# KiCad board tklc_v1_rgb.kicad_pcb (continued)
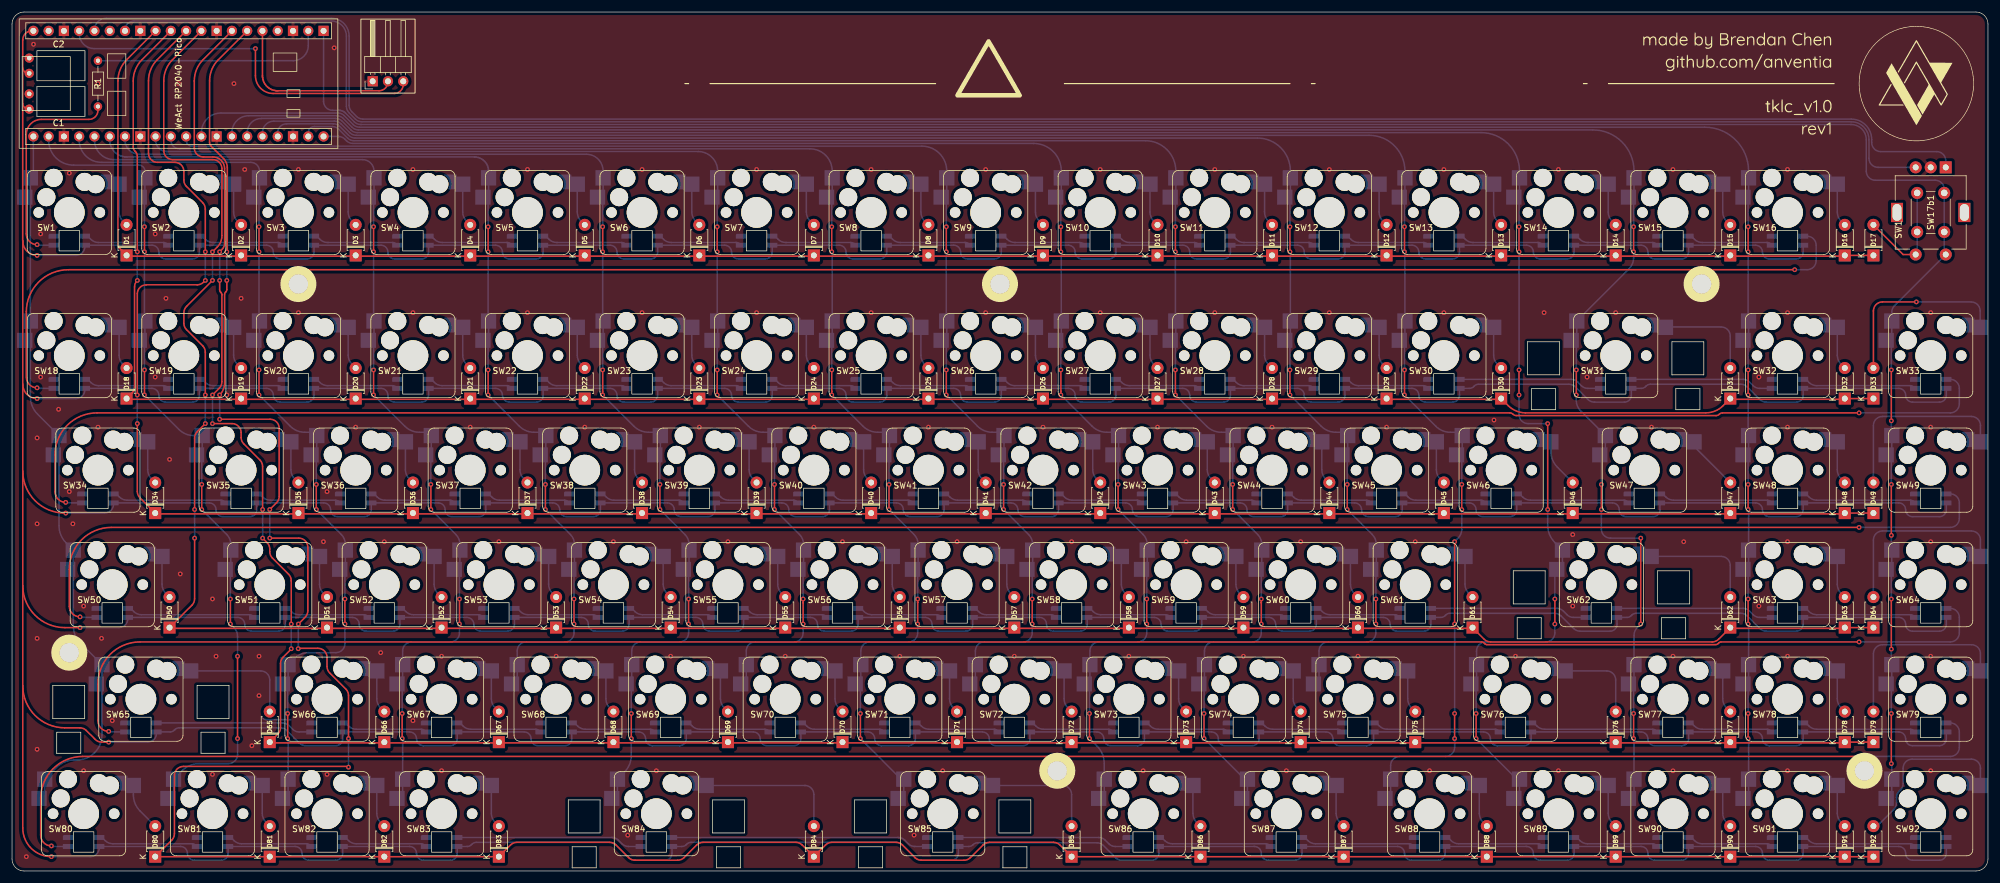
[diagram p0: board, top side]
## Routing (per net, layer and track width the routed paths; a pad name or vN(x,y) marks a point on that pad's centre or on a via; arc(x,y) is an arc through that point) (continued)
/row0: length 326.9
  Top w0.25: 19.18,102.26 37.97,102.26 ; 285.62,102.26 266.83,102.26 ; 304.67,102.26 285.88,102.26 ; D16.1 D17.1 ; 228.47,102.26 209.68,102.26 ; 95.38,102.26 114.17,102.26 ; WeAct RP2040-Pico.32 19.08,134.95 arc(17.99,133.33) 17.61,131.42 17.61,104.45 arc(17.73,103.88) 18.05,103.39 D1.1 ; 247.52,102.26 228.73,102.26 ; 266.57,102.26 247.78,102.26 ; 133.48,102.26 152.27,102.26 ; 171.32,102.26 152.53,102.26 ; 209.42,102.26 190.63,102.26 ; 76.07,102.26 57.28,102.26 ; 190.37,102.26 171.58,102.26 ; 95.12,102.26 76.33,102.26 ; 38.23,102.26 57.02,102.26 ; 114.43,102.26 133.22,102.26
/row1: length 353.1
  Top w0.25: 152.53,78.45 171.32,78.45 ; D18.1 19.94,79.47 arc(20.26,79.95) 20.37,80.53 20.37,97.14 arc(20.49,97.72) 20.81,98.2 v1(20.84,98.23) ; 190.63,78.45 209.42,78.45 ; 95.38,78.45 114.17,78.45 ; 209.68,78.45 228.47,78.45 ; v1(20.84,102.99) 20.84,118.92 arc(20.76,119.31) 20.54,119.63 20.45,119.73 arc(20.23,120.05) 20.15,120.43 20.15,131.42 arc(20.53,133.33) 21.62,134.95 WeAct RP2040-Pico.31 ; D32.1 D33.1 ; 171.58,78.45 190.37,78.45 ; 228.73,78.45 247.52,78.45 ; 285.88,78.45 304.67,78.45 ; D30.1 248.84,77.39 arc(250.16,76.51) 251.72,76.2 281.68,76.2 arc(283.24,76.51) 284.56,77.39 D31.1 ; 114.43,78.45 133.22,78.45 ; 57.28,78.45 76.07,78.45 ; 76.33,78.45 95.12,78.45 ; 19.18,78.45 37.97,78.45 ; 133.48,78.45 152.27,78.45 ; 38.23,78.45 57.02,78.45
  Bottom w0.25: v1(20.84,98.23) v1(20.84,102.99)
/row2: length 382
  Top w0.25: 104.9,59.4 123.7,59.4 ; 47.75,59.4 66.55,59.4 ; 180.85,59.4 162.05,59.4 ; 199.9,59.4 181.1,59.4 ; 23.94,59.4 47.5,59.4 ; v1(32.15,98.23) 31.86,97.94 arc(31.38,97.62) 30.8,97.5 22.34,97.5 arc(21.28,97.06) 20.84,96 v1(20.84,79.18) ; 161.8,59.4 143,59.4 ; 85.85,59.4 104.65,59.4 ; 259.69,59.4 285.62,59.4 ; 259.43,59.4 238.25,59.4 ; 285.88,59.4 304.67,59.4 ; v1(32.15,102.99) 32.15,110.11 arc(32.03,110.68) 31.71,111.17 29.01,113.86 arc(28.69,114.35) 28.58,114.92 28.58,116.37 arc(28.14,117.43) 27.08,117.87 24.19,117.87 arc(23.13,118.31) 22.69,119.37 22.69,131.42 arc(23.07,133.33) 24.16,134.95 WeAct RP2040-Pico.30 ; v1(20.84,74.41) 20.84,63.13 arc(20.95,62.56) 21.28,62.07 D34.1 ; 219.2,59.4 238,59.4 ; 85.6,59.4 66.8,59.4 ; D49.1 D48.1 ; 142.75,59.4 123.95,59.4 ; 200.15,59.4 218.95,59.4
  Bottom w0.25: v1(20.84,74.41) v1(20.84,79.18) ; v1(32.15,98.23) v1(32.15,102.99)
/row3: length 398.3
  Top w0.25: 26.32,40.35 52.26,40.35 ; 285.88,40.35 304.67,40.35 ; 185.87,40.35 204.66,40.35 ; D61.1 244.83,38.54 arc(245.32,38.21) 245.89,38.1 282.75,38.1 arc(283.32,38.21) 283.81,38.54 D62.1 ; v1(32.15,79.18) 32.15,86.29 arc(32.03,86.87) 31.71,87.35 29.01,90.05 arc(28.69,90.53) 28.58,91.11 28.58,92.84 arc(28.69,93.42) 29.01,93.9 v1(33.34,98.23) ; 52.52,40.35 71.31,40.35 ; 71.57,40.35 90.36,40.35 ; 128.72,40.35 147.51,40.35 ; 147.77,40.35 166.56,40.35 ; 90.62,40.35 109.41,40.35 ; WeAct RP2040-Pico.29 26.7,134.95 arc(25.61,133.33) 25.23,131.42 25.23,119.82 arc(25.67,118.76) 26.73,118.32 33.4,118.32 arc(34.47,117.88) 34.9,116.82 34.9,105.66 arc(34.7,104.64) 34.12,103.77 v1(33.34,102.99) ; v1(32.15,74.41) 30.8,73.07 arc(30.48,72.58) 30.36,72.01 v1(30.36,60.13) ; D50.1 29.92,44.21 arc(30.25,44.7) 30.36,45.27 v1(30.36,55.36) ; D63.1 D64.1 ; 204.92,40.35 223.71,40.35 ; 109.67,40.35 128.46,40.35 ; 223.97,40.35 242.76,40.35 ; 166.82,40.35 185.61,40.35
  Bottom w0.25: v1(33.34,102.99) v1(33.34,98.23) ; v1(30.36,60.13) v1(30.36,55.36) ; v1(32.15,74.41) v1(32.15,79.18)
/row4: length 397.2
  Top w0.25: v1(41.67,60.13) 41.67,67.3 arc(41.56,67.87) 41.23,68.36 38.54,71.05 arc(38.21,71.54) 38.1,72.11 38.1,72.91 arc(37.66,73.97) 36.6,74.41 v1(33.34,74.41) ; D78.1 D79.1 ; 157.29,21.3 176.08,21.3 ; 266.83,21.3 285.62,21.3 ; 42.99,21.3 61.78,21.3 ; 138.24,21.3 157.03,21.3 ; D65.1 44.21,22.78 arc(44.53,23.26) 44.65,23.84 44.65,34.5 arc(44.76,35.08) 45.09,35.56 46.43,36.91 ; WeAct RP2040-Pico.27 31.78,134.95 arc(30.69,133.33) 30.31,131.42 30.31,120.27 arc(30.75,119.21) 31.81,118.77 33.4,118.77 arc(34.78,118.2) 35.35,116.82 35.35,104.4 arc(35.25,103.86) 34.94,103.4 v1(34.53,102.99) ; v1(33.34,79.18) 34.47,80.3 arc(34.79,80.79) 34.9,81.36 34.9,95.86 arc(34.87,96.05) 34.76,96.21 34.67,96.29 arc(34.57,96.46) 34.53,96.65 v1(34.53,98.23) ; 100.14,21.3 118.93,21.3 ; 81.09,21.3 99.88,21.3 ; 176.34,21.3 195.13,21.3 ; 195.39,21.3 214.18,21.3 ; 119.19,21.3 137.98,21.3 ; v1(46.43,41.08) 46.43,48.3 arc(46.32,48.87) 46,49.36 43.3,52.05 arc(42.98,52.54) 42.86,53.11 42.86,53.55 arc(42.75,54.13) 42.42,54.61 v1(41.67,55.36) ; 62.04,21.3 80.83,21.3 ; 214.44,21.3 233.23,21.3 ; 233.49,21.3 266.57,21.3 ; 285.88,21.3 304.67,21.3
  Bottom w0.25: v1(33.34,79.18) v1(33.34,74.41) ; v1(34.53,98.23) v1(34.53,102.99) ; v1(41.67,60.13) v1(41.67,55.36) ; v1(46.43,41.08) 46.43,36.91
  vias: v1(46.43,36.97)
/row5: length 486.5
  Top w0.25: WeAct RP2040-Pico.26 34.32,134.95 arc(33.23,133.33) 32.85,131.42 32.85,121.16 arc(32.92,120.85) 33.1,120.58 35.17,118.5 arc(35.64,117.8) 35.8,116.98 35.8,103.13 arc(35.79,103.08) 35.76,103.03 v1(35.72,102.99) ; v1(34.53,75.14) 42.93,75.14 arc(43.99,74.7) 44.43,73.64 44.43,62.31 arc(44.32,61.74) 43.99,61.25 v1(42.86,60.13) ; v1(35.72,98.23) 35.72,96.69 arc(35.68,96.5) 35.57,96.34 35.5,96.27 arc(35.39,96.1) 35.35,95.91 35.35,81.17 arc(35.14,80.09) v1(34.53,79.18) ; v1(42.86,55.36) 47.69,55.36 arc(48.75,54.92) 49.19,53.86 49.19,43.26 arc(49.08,42.69) 48.75,42.2 v1(47.63,41.08) ; v1(55.96,22.03) 55.96,29.2 arc(55.85,29.77) 55.52,30.26 52.83,32.95 arc(52.5,33.44) 52.39,34.01 52.39,35.54 arc(51.95,36.6) 50.89,37.04 47.71,37.04 arc(47.67,37.03) 47.63,37 v1(47.6,36.97) ; D92.1 D91.1 D90.1 D89.1 D88.1 D87.1 D86.1 D85.1 174.27,4.32 arc(173.78,4.65) 173.21,4.76 162.55,4.76 arc(161.97,4.65) 161.49,4.32 159.39,2.23 arc(158.9,1.9) 158.33,1.79 151.24,1.79 arc(150.66,1.9) 150.17,2.23 148.08,4.32 arc(147.59,4.65) 147.02,4.76 136.35,4.76 arc(135.78,4.65) 135.29,4.32 D84.1 131.41,4.32 arc(130.92,4.65) 130.35,4.76 114.92,4.76 arc(114.35,4.65) 113.86,4.32 111.76,2.23 arc(111.28,1.9) 110.7,1.79 103.61,1.79 arc(103.04,1.9) 102.55,2.23 100.45,4.32 arc(99.97,4.65) 99.39,4.76 83.97,4.76 arc(83.39,4.65) 82.9,4.32 80.96,2.38 ; v1(55.96,17.26) 55.89,17.33 arc(55.82,17.38) 55.74,17.39 28.51,17.39 arc(27.45,16.95) 27.01,15.89 27.01,6.2 arc(26.89,5.62) 26.57,5.14 D80.1 D83.1
  Bottom w0.25: v1(47.63,41.08) 47.63,37.02 arc(47.62,37) 47.61,36.99 v1(47.6,36.97) ; v1(42.86,55.36) v1(42.86,60.13) ; v1(35.72,102.99) v1(35.72,98.23) ; v1(55.96,22.03) v1(55.96,17.26) ; v1(34.53,75.14) v1(34.53,79.18)
/UART_CONNECT: length 30.6
  Top w0.25: WeAct RP2040-Pico.25 41.65,132.35 arc(41.65,132.28) 41.65,132.2 arc(41.65,132.13) 41.66,132.05 41.67,131.98 arc(41.69,131.83) 41.72,131.68 arc(41.76,131.53) 41.81,131.39 arc(41.87,131.25) 41.94,131.12 arc(42.01,130.99) 42.09,130.86 arc(42.18,130.74) 42.28,130.62 arc(42.38,130.51) 42.49,130.41 arc(42.61,130.31) 42.73,130.22 arc(42.86,130.14) 42.99,130.07 arc(43.12,130) 43.26,129.94 arc(43.41,129.89) 43.55,129.85 arc(43.7,129.82) 43.85,129.8 43.92,129.79 arc(44,129.78) 44.07,129.78 arc(44.15,129.78) 44.22,129.78 61.02,129.78 arc(62.08,130.22) 62.52,131.28
Net-(D1-Pad2): length 7.2
  Bottom w0.25: SW1.1 17.8,109.61 arc(17.96,108.79) 18.43,108.1 D1.2
Net-(D2-Pad2): length 7.2
  Bottom w0.25: D2.2 37.48,108.1 arc(37.01,108.79) 36.85,109.61 SW2.1
Net-(D3-Pad2): length 7.2
  Bottom w0.25: SW3.1 55.9,109.61 arc(56.06,108.79) 56.53,108.1 D3.2
Net-(D4-Pad2): length 7.2
  Bottom w0.25: D4.2 75.58,108.1 arc(75.11,108.79) 74.95,109.61 SW4.1
Net-(D5-Pad2): length 7.2
  Bottom w0.25: SW5.1 94,109.61 arc(94.16,108.79) 94.63,108.1 D5.2
Net-(D6-Pad2): length 7.2
  Bottom w0.25: SW6.1 113.05,109.61 arc(113.21,108.79) 113.68,108.1 D6.2
Net-(D7-Pad2): length 7.2
  Bottom w0.25: SW7.1 132.1,109.61 arc(132.26,108.79) 132.73,108.1 D7.2
Net-(D8-Pad2): length 7.2
  Bottom w0.25: SW8.1 151.15,109.61 arc(151.31,108.79) 151.78,108.1 D8.2
Net-(D9-Pad2): length 7.2
  Bottom w0.25: SW9.1 170.2,109.61 arc(170.36,108.79) 170.83,108.1 D9.2
Net-(D10-Pad2): length 7.2
  Bottom w0.25: D10.2 189.88,108.1 arc(189.41,108.79) 189.25,109.61 SW10.1
Net-(D11-Pad2): length 7.2
  Bottom w0.25: D11.2 208.93,108.1 arc(208.46,108.79) 208.3,109.61 SW11.1
Net-(D12-Pad2): length 7.2
  Bottom w0.25: SW12.1 227.35,109.61 arc(227.51,108.79) 227.98,108.1 D12.2
Net-(D13-Pad2): length 7.2
  Bottom w0.25: D13.2 247.03,108.1 arc(246.56,108.79) 246.4,109.61 SW13.1
Net-(D14-Pad2): length 7.2
  Bottom w0.25: D14.2 266.08,108.1 arc(265.61,108.79) 265.45,109.61 SW14.1
Net-(D15-Pad2): length 7.2
  Bottom w0.25: SW15.1 284.5,109.61 arc(284.66,108.79) 285.13,108.1 D15.2
Net-(D16-Pad2): length 7.2
  Bottom w0.25: D16.2 304.18,108.1 arc(303.71,108.79) 303.55,109.61 SW16.1
Net-(D17-Pad2): length 19.3
  Top w0.25: D17.2 314.5,102.54 SW17.S2
  Bottom w0.25: SW17b1.2 SW17b1.2 316.84,102.54
Net-(D18-Pad2): length 7.2
  Bottom w0.25: D18.2 18.43,84.29 arc(17.96,84.98) 17.8,85.8 SW18.1
Net-(D19-Pad2): length 7.2
  Bottom w0.25: SW19.1 36.85,85.8 arc(37.01,84.98) 37.48,84.29 D19.2
Net-(D20-Pad2): length 7.2
  Bottom w0.25: SW20.1 55.9,85.8 arc(56.06,84.98) 56.53,84.29 D20.2
Net-(D21-Pad2): length 7.2
  Bottom w0.25: D21.2 75.58,84.29 arc(75.11,84.98) 74.95,85.8 SW21.1
Net-(D22-Pad2): length 7.2
  Bottom w0.25: D22.2 94.63,84.29 arc(94.16,84.98) 94,85.8 SW22.1
Net-(D23-Pad2): length 7.2
  Bottom w0.25: D23.2 113.68,84.29 arc(113.21,84.98) 113.05,85.8 SW23.1
Net-(D24-Pad2): length 7.2
  Bottom w0.25: SW24.1 132.1,85.8 arc(132.26,84.98) 132.73,84.29 D24.2
Net-(D25-Pad2): length 7.2
  Bottom w0.25: SW25.1 151.15,85.8 arc(151.31,84.98) 151.78,84.29 D25.2
Net-(D26-Pad2): length 7.2
  Bottom w0.25: D26.2 170.83,84.29 arc(170.36,84.98) 170.2,85.8 SW26.1
Net-(D27-Pad2): length 7.2
  Bottom w0.25: SW27.1 189.25,85.8 arc(189.41,84.98) 189.88,84.29 D27.2
Net-(D28-Pad2): length 7.2
  Bottom w0.25: SW28.1 208.3,85.8 arc(208.46,84.98) 208.93,84.29 D28.2
Net-(D29-Pad2): length 7.2
  Bottom w0.25: D29.2 227.98,84.29 arc(227.51,84.98) 227.35,85.8 SW29.1
Net-(D30-Pad2): length 7.2
  Bottom w0.25: SW30.1 246.4,85.8 arc(246.56,84.98) 247.03,84.29 D30.2
Net-(D31-Pad2): length 17.1
  Bottom w0.25: 285.75,83.5 285.75,88.99 arc(285.31,90.05) 284.25,90.49 275.04,90.49
Net-(D32-Pad2): length 7.2
  Bottom w0.25: SW32.1 303.55,85.8 arc(303.71,84.98) 304.18,84.29 D32.2
Net-(D33-Pad2): length 31.7
  Top w0.25: D33.2 309.56,93.15 arc(310,94.22) 311.06,94.65 v1(316.71,94.65)
  Bottom w0.25: SW33.1 327.31,93.15 arc(326.87,94.22) 325.81,94.65 v1(316.71,94.65)
Net-(D34-Pad2): length 7.2
  Bottom w0.25: D34.2 23.19,65.24 arc(22.72,65.93) 22.56,66.75 SW34.1
Net-(D35-Pad2): length 7.2
  Bottom w0.25: SW35.1 46.38,66.75 arc(46.54,65.93) 47,65.24 D35.2
Net-(D36-Pad2): length 7.2
  Bottom w0.25: D36.2 66.05,65.24 arc(65.59,65.93) 65.43,66.75 SW36.1
Net-(D37-Pad2): length 7.2
  Bottom w0.25: D37.2 85.1,65.24 arc(84.64,65.93) 84.48,66.75 SW37.1
Net-(D38-Pad2): length 7.2
  Bottom w0.25: D38.2 104.15,65.24 arc(103.69,65.93) 103.53,66.75 SW38.1
Net-(D39-Pad2): length 7.2
  Bottom w0.25: D39.2 123.2,65.24 arc(122.74,65.93) 122.58,66.75 SW39.1
Net-(D40-Pad2): length 7.2
  Bottom w0.25: D40.2 142.25,65.24 arc(141.79,65.93) 141.63,66.75 SW40.1
Net-(D41-Pad2): length 7.2
  Bottom w0.25: SW41.1 160.68,66.75 arc(160.84,65.93) 161.3,65.24 D41.2
Net-(D42-Pad2): length 7.2
  Bottom w0.25: SW42.1 179.73,66.75 arc(179.89,65.93) 180.35,65.24 D42.2
Net-(D43-Pad2): length 7.2
  Bottom w0.25: D43.2 199.4,65.24 arc(198.94,65.93) 198.78,66.75 SW43.1
Net-(D44-Pad2): length 7.2
  Bottom w0.25: D44.2 218.45,65.24 arc(217.99,65.93) 217.83,66.75 SW44.1
Net-(D45-Pad2): length 7.2
  Bottom w0.25: SW45.1 236.88,66.75 arc(237.04,65.93) 237.5,65.24 D45.2
Net-(D46-Pad2): length 8.1
  Bottom w0.25: SW46.1 255.93,69.81 arc(256.21,68.36) 257.03,67.13 D46.2
Net-(D47-Pad2): length 8.5
  Bottom w0.25: 279.74,70.62 D47.2
Net-(D48-Pad2): length 7.2
  Bottom w0.25: D48.2 304.18,65.24 arc(303.71,65.93) 303.55,66.75 SW48.1
Net-(D49-Pad2): length 31.7
  Bottom w0.25: 327.36,71.38 327.36,74.1 arc(326.92,75.17) 325.86,75.6 311.06,75.6 arc(310,75.17) 309.56,74.1 D49.2
Net-(D50-Pad2): length 7.2
  Bottom w0.25: 26.19,45.56 25.57,46.19 arc(25.11,46.88) 24.94,47.7 SW50.1
Net-(D51-Pad2): length 7.2
  Bottom w0.25: 52.39,45.56 51.76,46.19 arc(51.3,46.88) 51.14,47.7 SW51.1
Net-(D52-Pad2): length 7.2
  Bottom w0.25: 71.44,45.56 70.81,46.19 arc(70.35,46.88) 70.19,47.7 SW52.1
Net-(D53-Pad2): length 7.2
  Bottom w0.25: SW53.1 89.24,47.7 arc(89.4,46.88) 89.86,46.19 90.49,45.56
Net-(D54-Pad2): length 7.2
  Bottom w0.25: 109.54,45.56 108.91,46.19 arc(108.45,46.88) 108.29,47.7 SW54.1
Net-(D55-Pad2): length 7.2
  Bottom w0.25: SW55.1 127.34,47.7 arc(127.5,46.88) 127.96,46.19 128.59,45.56
Net-(D56-Pad2): length 7.2
  Bottom w0.25: SW56.1 146.39,47.7 arc(146.55,46.88) 147.01,46.19 147.64,45.56
Net-(D57-Pad2): length 7.2
  Bottom w0.25: 166.69,45.56 166.06,46.19 arc(165.6,46.88) 165.44,47.7 SW57.1
Net-(D58-Pad2): length 7.2
  Bottom w0.25: SW58.1 184.49,47.7 arc(184.65,46.88) 185.11,46.19 185.74,45.56
Net-(D59-Pad2): length 7.2
  Bottom w0.25: SW59.1 203.54,47.7 arc(203.7,46.88) 204.16,46.19 204.79,45.56
Net-(D60-Pad2): length 7.2
  Bottom w0.25: 223.84,45.56 223.21,46.19 arc(222.75,46.88) 222.59,47.7 SW60.1
Net-(D61-Pad2): length 7.2
  Bottom w0.25: SW61.1 241.64,47.7 arc(241.8,46.88) 242.26,46.19 242.89,45.56
Net-(D62-Pad2): length 19.3
  Bottom w0.25: SW62.1 284.25,52.33 arc(285.31,51.89) 285.75,50.83 285.75,45.56
Net-(D63-Pad2): length 7.2
  Bottom w0.25: 304.8,45.56 304.18,46.19 arc(303.71,46.88) 303.55,47.7 SW63.1
Net-(D64-Pad2): length 31.7
  Bottom w0.25: 327.36,52.33 327.36,55.05 arc(326.92,56.12) 325.86,56.55 311.06,56.55 arc(310,56.12) 309.56,55.05 309.56,45.56
Net-(D65-Pad2): length 19.3
  Bottom w0.25: D65.2 42.86,31.78 arc(42.42,32.84) 41.36,33.28 SW65.1
Net-(D66-Pad2): length 7.2
  Bottom w0.25: SW66.1 60.66,28.65 arc(60.82,27.83) 61.29,27.14 D66.2
Net-(D67-Pad2): length 7.2
  Bottom w0.25: SW67.1 79.71,28.65 arc(79.87,27.83) 80.34,27.14 D67.2
Net-(D68-Pad2): length 7.2
  Bottom w0.25: D68.2 99.39,27.14 arc(98.92,27.83) 98.76,28.65 SW68.1
Net-(D69-Pad2): length 7.2
  Bottom w0.25: SW69.1 117.81,28.65 arc(117.97,27.83) 118.44,27.14 D69.2
Net-(D70-Pad2): length 7.2
  Bottom w0.25: SW70.1 136.86,28.65 arc(137.02,27.83) 137.49,27.14 D70.2
Net-(D71-Pad2): length 7.2
  Bottom w0.25: D71.2 156.54,27.14 arc(156.07,27.83) 155.91,28.65 SW71.1
Net-(D72-Pad2): length 7.2
  Bottom w0.25: SW72.1 174.96,28.65 arc(175.12,27.83) 175.59,27.14 D72.2
Net-(D73-Pad2): length 7.2
  Bottom w0.25: D73.2 194.64,27.14 arc(194.17,27.83) 194.01,28.65 SW73.1
Net-(D74-Pad2): length 7.2
  Bottom w0.25: SW74.1 213.06,28.65 arc(213.22,27.83) 213.69,27.14 D74.2
Net-(D75-Pad2): length 7.2
  Bottom w0.25: D75.2 232.74,27.14 arc(232.27,27.83) 232.11,28.65 SW75.1
Net-(D76-Pad2): length 14.5
  Bottom w0.25: D76.2 266.7,31.78 arc(266.26,32.84) 265.2,33.28 SW76.1
Net-(D77-Pad2): length 7.2
  Bottom w0.25: D77.2 285.13,27.14 arc(284.66,27.83) 284.5,28.65 SW77.1
Net-(D78-Pad2): length 7.2
  Bottom w0.25: D78.2 304.18,27.14 arc(303.71,27.83) 303.55,28.65 SW78.1
Net-(D79-Pad2): length 32
  Bottom w0.25: 327.36,33.28 327.36,36.13 arc(326.92,37.19) 325.86,37.63 311.06,37.63 arc(310,37.19) 309.56,36.13 D79.2
Net-(D80-Pad2): length 8.1
  Bottom w0.25: SW80.1 20.18,12.66 arc(20.47,11.21) 21.29,9.98 23.81,7.46
Net-(D81-Pad2): length 7.2
  Bottom w0.25: SW81.1 41.61,9.6 arc(41.77,8.78) 42.24,8.09 42.86,7.46
Net-(D82-Pad2): length 7.2
  Bottom w0.25: 61.91,7.46 61.29,8.09 arc(60.82,8.78) 60.66,9.6 SW82.1
Net-(D83-Pad2): length 7.2
  Bottom w0.25: 80.96,7.46 80.34,8.09 arc(79.87,8.78) 79.71,9.6 SW83.1
Net-(D84-Pad2): length 24
  Bottom w0.25: 133.35,7.46 133.35,12.73 arc(132.91,13.79) 131.85,14.23 SW84.1
Net-(D85-Pad2): length 19.3
  Bottom w0.25: 176.21,7.46 176.21,12.73 arc(175.77,13.79) 174.71,14.23 SW85.1
Net-(D86-Pad2): length 7.2
  Bottom w0.25: 197.64,7.46 197.02,8.09 arc(196.56,8.78) 196.39,9.6 SW86.1
Net-(D87-Pad2): length 7.2
  Bottom w0.25: 221.46,7.46 220.83,8.09 arc(220.37,8.78) 220.21,9.6 SW87.1
Net-(D88-Pad2): length 7.2
  Bottom w0.25: 245.27,7.46 244.64,8.09 arc(244.18,8.78) 244.02,9.6 SW88.1
Net-(D89-Pad2): length 7.2
  Bottom w0.25: SW89.1 265.45,9.6 arc(265.61,8.78) 266.08,8.09 266.7,7.46
Net-(D90-Pad2): length 7.2
  Bottom w0.25: 285.75,7.46 285.13,8.09 arc(284.66,8.78) 284.5,9.6 SW90.1
Net-(D91-Pad2): length 7.2
  Bottom w0.25: 304.8,7.46 304.18,8.09 arc(303.71,8.78) 303.55,9.6 SW91.1
Net-(D92-Pad2): length 28.7
  Bottom w0.25: 327.36,14.23 327.36,17.1 arc(326.92,18.16) 325.86,18.6 316,18.6 arc(314.94,18.16) 314.5,17.1 314.5,14.56 arc(314.39,13.99) 314.06,13.5 313.84,13.28 arc(313.52,12.79) 313.4,12.22 313.4,11.31 arc(313.29,10.73) 312.96,10.25 310.18,7.46
Net-(R1-Pad1): length 38.9
  Bottom w0.25: R1.1 46.77,134.78 arc(48.54,135.51) 49.27,137.28 WeAct RP2040-Pico.22
Net-(SW1-Pad5): length 13.6
  Bottom w0.25: 12.58,105.59 13.11,105.06 arc(13.69,104.67) 14.38,104.54 25.21,104.54 arc(25.5,104.48) 25.75,104.31
Net-(SW2-Pad5): length 13.6
  Bottom w0.25: 31.63,105.59 32.16,105.06 arc(32.74,104.67) 33.43,104.54 44.26,104.54 arc(44.55,104.48) 44.8,104.31
Net-(SW3-Pad5): length 13.6
  Bottom w0.25: 50.68,105.59 51.21,105.06 arc(51.79,104.67) 52.48,104.54 63.31,104.54 arc(63.6,104.48) 63.85,104.31
Net-(SW4-Pad5): length 13.6
  Bottom w0.25: 69.73,105.59 70.26,105.06 arc(70.84,104.67) 71.53,104.54 82.36,104.54 arc(82.65,104.48) 82.9,104.31
Net-(SW5-Pad5): length 13.6
  Bottom w0.25: 88.78,105.59 89.31,105.06 arc(89.89,104.67) 90.58,104.54 101.41,104.54 arc(101.7,104.48) 101.95,104.31
Net-(SW6-Pad5): length 13.6
  Bottom w0.25: 107.83,105.59 108.36,105.06 arc(108.94,104.67) 109.63,104.54 120.46,104.54 arc(120.75,104.48) 121,104.31
Net-(SW7-Pad5): length 13.6
  Bottom w0.25: 126.88,105.59 127.41,105.06 arc(127.99,104.67) 128.68,104.54 139.51,104.54 arc(139.8,104.48) 140.05,104.31
Net-(SW8-Pad5): length 13.6
  Bottom w0.25: 145.93,105.59 146.46,105.06 arc(147.04,104.67) 147.73,104.54 158.56,104.54 arc(158.85,104.48) 159.1,104.31
Net-(SW10-Pad4): length 13.6
  Bottom w0.25: 164.98,105.59 165.51,105.06 arc(166.09,104.67) 166.78,104.54 177.61,104.54 arc(177.9,104.48) 178.15,104.31
Net-(SW10-Pad5): length 13.6
  Bottom w0.25: 184.03,105.59 184.56,105.06 arc(185.14,104.67) 185.83,104.54 196.66,104.54 arc(196.95,104.48) 197.2,104.31
Net-(SW11-Pad5): length 13.6
  Bottom w0.25: 203.08,105.59 203.61,105.06 arc(204.19,104.67) 204.88,104.54 215.71,104.54 arc(216,104.48) 216.25,104.31
Net-(SW12-Pad5): length 13.6
  Bottom w0.25: 222.13,105.59 222.66,105.06 arc(223.24,104.67) 223.93,104.54 234.76,104.54 arc(235.05,104.48) 235.3,104.31
Net-(SW13-Pad5): length 13.6
  Bottom w0.25: 241.18,105.59 241.71,105.06 arc(242.29,104.67) 242.98,104.54 253.81,104.54 arc(254.1,104.48) 254.35,104.31
Net-(SW14-Pad5): length 13.6
  Bottom w0.25: 260.23,105.59 260.76,105.06 arc(261.34,104.67) 262.03,104.54 272.86,104.54 arc(273.15,104.48) 273.4,104.31
Net-(SW15-Pad5): length 13.6
  Bottom w0.25: 279.28,105.59 279.81,105.06 arc(280.39,104.67) 281.08,104.54 291.91,104.54 arc(292.2,104.48) 292.45,104.31
Net-(SW16-Pad5): length 323.9
  Top w0.25: v1(296.47,100.01) 9.38,100.01 arc(4.43,97.96) 2.38,93.01 2.38,82.15 arc(2.9,80.89) v1(4.17,80.37)
  Bottom w0.25: SW18.4 4.32,80.28 arc(4.26,80.29) 4.21,80.32 v1(4.17,80.37) ; v1(296.47,100.01) 298.54,100.01 arc(299.6,100.45) 300.04,101.51 300.04,104.09 arc(299.6,105.15) 298.54,105.59
Net-(SW18-Pad5): length 13.6
  Bottom w0.25: 12.58,81.78 13.11,81.25 arc(13.69,80.86) 14.38,80.72 25.21,80.72 arc(25.5,80.67) 25.75,80.5
Net-(SW19-Pad5): length 13.6
  Bottom w0.25: 31.63,81.78 32.16,81.25 arc(32.74,80.86) 33.43,80.72 44.26,80.72 arc(44.55,80.67) 44.8,80.5
Net-(SW20-Pad5): length 13.6
  Bottom w0.25: 50.68,81.78 51.21,81.25 arc(51.79,80.86) 52.48,80.72 63.31,80.72 arc(63.6,80.67) 63.85,80.5
Net-(SW21-Pad5): length 13.6
  Bottom w0.25: 69.73,81.78 70.26,81.25 arc(70.84,80.86) 71.53,80.72 82.36,80.72 arc(82.65,80.67) 82.9,80.5
Net-(SW22-Pad5): length 13.6
  Bottom w0.25: 88.78,81.78 89.31,81.25 arc(89.89,80.86) 90.58,80.72 101.41,80.72 arc(101.7,80.67) 101.95,80.5
Net-(SW23-Pad5): length 13.6
  Bottom w0.25: 107.83,81.78 108.36,81.25 arc(108.94,80.86) 109.63,80.72 120.46,80.72 arc(120.75,80.67) 121,80.5
Net-(SW24-Pad5): length 13.6
  Bottom w0.25: 126.88,81.78 127.41,81.25 arc(127.99,80.86) 128.68,80.72 139.51,80.72 arc(139.8,80.67) 140.05,80.5
Net-(SW25-Pad5): length 13.6
  Bottom w0.25: 145.93,81.78 146.46,81.25 arc(147.04,80.86) 147.73,80.72 158.56,80.72 arc(158.85,80.67) 159.1,80.5
Net-(SW26-Pad5): length 13.6
  Bottom w0.25: 164.98,81.78 165.51,81.25 arc(166.09,80.86) 166.78,80.72 177.61,80.72 arc(177.9,80.67) 178.15,80.5
Net-(SW27-Pad5): length 13.6
  Bottom w0.25: 184.03,81.78 184.56,81.25 arc(185.14,80.86) 185.83,80.72 196.66,80.72 arc(196.95,80.67) 197.2,80.5
Net-(SW28-Pad5): length 13.6
  Bottom w0.25: 203.08,81.78 203.61,81.25 arc(204.19,80.86) 204.88,80.72 215.71,80.72 arc(216,80.67) 216.25,80.5
Net-(SW29-Pad5): length 13.6
  Bottom w0.25: 222.13,81.78 222.66,81.25 arc(223.24,80.86) 223.93,80.72 234.76,80.72 arc(235.05,80.67) 235.3,80.5
Net-(SW30-Pad5): length 23.9
  Bottom w0.25: SW30.5 259.31,81.78 arc(259.89,81.66) 260.37,81.34 261,80.71 arc(261.48,80.39) 262.06,80.28 SW31.4
Net-(SW31-Pad5): length 23.9
  Bottom w0.25: SW31.5 287.89,81.78 arc(288.46,81.66) 288.95,81.34 289.57,80.71 arc(290.06,80.39) 290.63,80.28 SW32.4
Net-(SW32-Pad5): length 18.3
  Bottom w0.25: 298.33,81.78 298.86,81.25 arc(299.44,80.86) 300.13,80.72 315.72,80.72 arc(316.01,80.67) 316.26,80.5
Net-(SW33-Pad5): length 338.4
  Top w0.25: v1(307.18,76.2) 284.48,76.2 arc(284.19,76.14) 283.94,75.98 arc(283.69,75.81) 283.4,75.75 250.16,75.75 arc(249.87,75.81) 249.62,75.98 arc(249.37,76.14) 249.08,76.2 14.14,76.2 arc(9.19,74.15) 7.14,69.2 7.14,63.1 arc(7.67,61.84) v1(8.93,61.32)
  Bottom w0.25: v1(307.18,76.2) 322.35,76.2 arc(323.41,76.64) 323.85,77.7 323.85,80.28 arc(323.41,81.34) 322.35,81.78 ; SW34.4 9.09,61.23 arc(9.03,61.24) 8.98,61.27 v1(8.93,61.32)
Net-(SW34-Pad5): length 18.3
  Bottom w0.25: 17.35,62.73 17.87,62.2 arc(18.45,61.81) 19.14,61.67 34.73,61.67 arc(35.03,61.62) 35.28,61.45
Net-(SW35-Pad5): length 13.6
  Bottom w0.25: 41.16,62.73 41.68,62.2 arc(42.27,61.81) 42.95,61.67 53.78,61.67 arc(54.08,61.62) 54.33,61.45
Net-(SW36-Pad5): length 13.6
  Bottom w0.25: 60.21,62.73 60.73,62.2 arc(61.32,61.81) 62,61.67 72.83,61.67 arc(73.13,61.62) 73.38,61.45
Net-(SW37-Pad5): length 13.6
  Bottom w0.25: 79.26,62.73 79.78,62.2 arc(80.37,61.81) 81.05,61.67 91.88,61.67 arc(92.18,61.62) 92.43,61.45
Net-(SW38-Pad5): length 13.6
  Bottom w0.25: 98.31,62.73 98.83,62.2 arc(99.42,61.81) 100.1,61.67 110.93,61.67 arc(111.23,61.62) 111.48,61.45
Net-(SW39-Pad5): length 13.6
  Bottom w0.25: 117.36,62.73 117.88,62.2 arc(118.47,61.81) 119.15,61.67 129.98,61.67 arc(130.28,61.62) 130.53,61.45
Net-(SW40-Pad5): length 13.6
  Bottom w0.25: 136.41,62.73 136.93,62.2 arc(137.52,61.81) 138.2,61.67 149.03,61.67 arc(149.33,61.62) 149.58,61.45
Net-(SW41-Pad5): length 13.6
  Bottom w0.25: 155.46,62.73 155.98,62.2 arc(156.57,61.81) 157.25,61.67 168.08,61.67 arc(168.38,61.62) 168.63,61.45
Net-(SW42-Pad5): length 13.6
  Bottom w0.25: 174.51,62.73 175.03,62.2 arc(175.62,61.81) 176.3,61.67 187.13,61.67 arc(187.43,61.62) 187.68,61.45
Net-(SW43-Pad5): length 13.6
  Bottom w0.25: 193.56,62.73 194.08,62.2 arc(194.67,61.81) 195.35,61.67 206.18,61.67 arc(206.48,61.62) 206.73,61.45
Net-(SW44-Pad5): length 13.6
  Bottom w0.25: 212.61,62.73 213.13,62.2 arc(213.72,61.81) 214.4,61.67 225.23,61.67 arc(225.53,61.62) 225.78,61.45
Net-(SW45-Pad5): length 13.6
  Bottom w0.25: 231.66,62.73 232.18,62.2 arc(232.77,61.81) 233.45,61.67 244.28,61.67 arc(244.58,61.62) 244.83,61.45
Net-(SW46-Pad5): length 18.3
  Bottom w0.25: 250.71,62.73 251.23,62.2 arc(251.82,61.81) 252.5,61.67 268.1,61.67 arc(268.39,61.62) 268.64,61.45
Net-(SW47-Pad5): length 18.3
  Bottom w0.25: 274.52,62.73 275.05,62.2 arc(275.63,61.81) 276.31,61.67 291.91,61.67 arc(292.2,61.62) 292.45,61.45
Net-(SW48-Pad5): length 18.3
  Bottom w0.25: 298.33,62.73 298.86,62.2 arc(299.44,61.81) 300.13,61.67 315.72,61.67 arc(316.01,61.62) 316.26,61.45
Net-(SW49-Pad5): length 335.8
  Top w0.25: v1(307.18,57.15) 16.53,57.15 arc(11.58,55.1) 9.53,50.15 9.53,44.05 arc(10.05,42.79) v1(11.31,42.27)
  Bottom w0.25: v1(307.18,57.15) 322.35,57.15 arc(323.41,57.59) 323.85,58.65 323.85,61.23 arc(323.41,62.29) 322.35,62.73 ; v1(11.31,42.27) 11.36,42.22 arc(11.41,42.19) 11.47,42.18 SW50.4
Net-(SW50-Pad5): length 20.7
  Bottom w0.25: 19.73,43.68 20.25,43.15 arc(20.83,42.76) 21.52,42.62 39.5,42.62 arc(39.79,42.57) 40.04,42.4
Net-(SW51-Pad5): length 13.6
  Bottom w0.25: 45.92,43.68 46.45,43.15 arc(47.03,42.76) 47.71,42.62 58.55,42.62 arc(58.84,42.57) 59.09,42.4
Net-(SW52-Pad5): length 13.6
  Bottom w0.25: 64.97,43.68 65.5,43.15 arc(66.08,42.76) 66.76,42.62 77.6,42.62 arc(77.89,42.57) 78.14,42.4
Net-(SW53-Pad5): length 13.6
  Bottom w0.25: 84.02,43.68 84.55,43.15 arc(85.13,42.76) 85.81,42.62 96.65,42.62 arc(96.94,42.57) 97.19,42.4
Net-(SW54-Pad5): length 13.6
  Bottom w0.25: 103.07,43.68 103.6,43.15 arc(104.18,42.76) 104.86,42.62 115.7,42.62 arc(115.99,42.57) 116.24,42.4
Net-(SW55-Pad5): length 13.6
  Bottom w0.25: 122.12,43.68 122.65,43.15 arc(123.23,42.76) 123.91,42.62 134.75,42.62 arc(135.04,42.57) 135.29,42.4
Net-(SW56-Pad5): length 13.6
  Bottom w0.25: 141.17,43.68 141.7,43.15 arc(142.28,42.76) 142.96,42.62 153.8,42.62 arc(154.09,42.57) 154.34,42.4
Net-(SW57-Pad5): length 13.6
  Bottom w0.25: 160.22,43.68 160.75,43.15 arc(161.33,42.76) 162.01,42.62 172.85,42.62 arc(173.14,42.57) 173.39,42.4
Net-(SW58-Pad5): length 13.6
  Bottom w0.25: 179.27,43.68 179.8,43.15 arc(180.38,42.76) 181.06,42.62 191.9,42.62 arc(192.19,42.57) 192.44,42.4
Net-(SW59-Pad5): length 13.6
  Bottom w0.25: 198.32,43.68 198.85,43.15 arc(199.43,42.76) 200.11,42.62 210.95,42.62 arc(211.24,42.57) 211.49,42.4
Net-(SW60-Pad5): length 13.6
  Bottom w0.25: 217.37,43.68 217.9,43.15 arc(218.48,42.76) 219.16,42.62 230,42.62 arc(230.29,42.57) 230.54,42.4
Net-(SW61-Pad5): length 26.2
  Bottom w0.25: SW61.5 256.93,43.68 arc(257.51,43.56) 257.99,43.24 258.61,42.61 arc(259.1,42.29) 259.67,42.18 SW62.4
Net-(SW62-Pad5): length 26.2
  Bottom w0.25: SW62.5 287.89,43.68 arc(288.46,43.56) 288.95,43.24 289.57,42.61 arc(290.06,42.29) 290.63,42.18 SW63.4
Net-(SW63-Pad5): length 18.3
  Bottom w0.25: 298.33,43.68 298.86,43.15 arc(299.44,42.76) 300.13,42.62 315.72,42.62 arc(316.01,42.57) 316.26,42.4
Net-(SW64-Pad5): length 331.3
  Top w0.25: v1(307.18,38.1) 284.21,38.1 arc(284.02,38.06) 283.86,37.95 283.7,37.8 arc(283.54,37.69) 283.35,37.65 245.29,37.65 arc(245.1,37.69) 244.94,37.8 244.78,37.95 arc(244.62,38.06) 244.43,38.1 21.29,38.1 arc(16.34,36.05) 14.29,31.1 14.29,25 arc(14.81,23.74) v1(16.07,23.22)
  Bottom w0.25: v1(16.07,23.22) 16.12,23.17 arc(16.17,23.14) 16.23,23.13 SW65.4 ; v1(307.18,38.1) 322.35,38.1 arc(323.41,38.54) 323.85,39.6 323.85,42.18 arc(323.41,43.24) 322.35,43.68
Net-(SW65-Pad5): length 26.2
  Bottom w0.25: SW65.5 45,24.63 arc(45.57,24.51) 46.06,24.19 46.68,23.56 arc(47.17,23.24) 47.74,23.13 SW66.4
Net-(SW66-Pad5): length 13.6
  Bottom w0.25: 55.45,24.63 55.97,24.1 arc(56.55,23.71) 57.24,23.57 68.07,23.57 arc(68.36,23.52) 68.61,23.35
Net-(SW67-Pad5): length 13.6
  Bottom w0.25: 74.5,24.63 75.02,24.1 arc(75.6,23.71) 76.29,23.57 87.12,23.57 arc(87.41,23.52) 87.66,23.35
Net-(SW68-Pad5): length 13.6
  Bottom w0.25: 93.55,24.63 94.07,24.1 arc(94.65,23.71) 95.34,23.57 106.17,23.57 arc(106.46,23.52) 106.71,23.35
Net-(SW69-Pad5): length 13.6
  Bottom w0.25: 112.6,24.63 113.12,24.1 arc(113.7,23.71) 114.39,23.57 125.22,23.57 arc(125.51,23.52) 125.76,23.35
Net-(SW70-Pad5): length 13.6
  Bottom w0.25: 131.65,24.63 132.17,24.1 arc(132.75,23.71) 133.44,23.57 144.27,23.57 arc(144.56,23.52) 144.81,23.35
Net-(SW71-Pad5): length 13.6
  Bottom w0.25: 150.7,24.63 151.22,24.1 arc(151.8,23.71) 152.49,23.57 163.32,23.57 arc(163.61,23.52) 163.86,23.35
Net-(SW72-Pad5): length 13.6
  Bottom w0.25: 169.75,24.63 170.27,24.1 arc(170.85,23.71) 171.54,23.57 182.37,23.57 arc(182.66,23.52) 182.91,23.35
Net-(SW73-Pad5): length 13.6
  Bottom w0.25: 188.8,24.63 189.32,24.1 arc(189.9,23.71) 190.59,23.57 201.42,23.57 arc(201.71,23.52) 201.96,23.35
Net-(SW74-Pad5): length 13.6
  Bottom w0.25: 207.85,24.63 208.37,24.1 arc(208.95,23.71) 209.64,23.57 220.47,23.57 arc(220.76,23.52) 221.01,23.35
Net-(SW75-Pad5): length 20.7
  Bottom w0.25: 226.9,24.63 227.42,24.1 arc(228,23.71) 228.69,23.57 246.66,23.57 arc(246.96,23.52) 247.21,23.35
Net-(SW76-Pad5): length 20.7
  Bottom w0.25: 253.09,24.63 253.62,24.1 arc(254.2,23.71) 254.88,23.57 272.86,23.57 arc(273.15,23.52) 273.4,23.35
Net-(SW77-Pad5): length 13.6
  Bottom w0.25: 279.28,24.63 279.81,24.1 arc(280.39,23.71) 281.08,23.57 291.91,23.57 arc(292.2,23.52) 292.45,23.35
Net-(SW78-Pad5): length 18.3
  Bottom w0.25: 298.33,24.63 298.86,24.1 arc(299.44,23.71) 300.13,23.57 315.72,23.57 arc(316.01,23.52) 316.26,23.35
Net-(SW79-Pad5): length 340.6
  Top w0.25: v1(307.18,19.05) 11.76,19.05 arc(6.81,17) 4.76,12.05 4.76,5.95 arc(5.29,4.69) v1(6.55,4.17)
  Bottom w0.25: v1(307.18,19.05) 322.35,19.05 arc(323.41,19.49) 323.85,20.55 323.85,23.13 arc(323.41,24.19) 322.35,24.63 ; v1(6.55,4.17) 6.59,4.12 arc(6.65,4.09) 6.71,4.08 SW80.4
Net-(SW80-Pad5): length 16
  Bottom w0.25: 14.97,5.58 15.49,5.05 arc(16.07,4.66) 16.76,4.52 29.97,4.52 arc(30.26,4.47) 30.51,4.3
Net-(SW81-Pad5): length 13.6
  Bottom w0.25: 36.4,5.58 36.92,5.05 arc(37.5,4.66) 38.19,4.52 49.02,4.52 arc(49.31,4.47) 49.56,4.3
Net-(SW82-Pad5): length 13.6
  Bottom w0.25: 55.45,5.58 55.97,5.05 arc(56.55,4.66) 57.24,4.52 68.07,4.52 arc(68.36,4.47) 68.61,4.3
Net-(SW83-Pad5): length 31
  Bottom w0.25: SW83.5 99.77,5.58 arc(100.34,5.46) 100.83,5.14 101.45,4.51 arc(101.94,4.19) 102.51,4.08 SW84.4
Net-(SW84-Pad5): length 42.9
  Bottom w0.25: SW84.5 147.39,5.58 arc(147.97,5.46) 148.45,5.14 149.08,4.51 arc(149.56,4.19) 150.14,4.08 SW85.4
Net-(SW85-Pad5): length 28.6
  Bottom w0.25: SW85.5 180.73,5.58 arc(181.31,5.46) 181.79,5.14 182.41,4.51 arc(182.9,4.19) 183.47,4.08 SW86.4
Net-(SW86-Pad5): length 18.3
  Bottom w0.25: 191.18,5.58 191.7,5.05 arc(192.28,4.66) 192.97,4.52 208.56,4.52 arc(208.86,4.47) 209.11,4.3
Net-(SW87-Pad5): length 18.3
  Bottom w0.25: 214.99,5.58 215.52,5.05 arc(216.1,4.66) 216.78,4.52 232.38,4.52 arc(232.67,4.47) 232.92,4.3
Net-(SW88-Pad5): length 16
  Bottom w0.25: 238.8,5.58 239.33,5.05 arc(239.91,4.66) 240.6,4.52 253.81,4.52 arc(254.1,4.47) 254.35,4.3
Net-(SW89-Pad5): length 13.6
  Bottom w0.25: 260.23,5.58 260.76,5.05 arc(261.34,4.66) 262.03,4.52 272.86,4.52 arc(273.15,4.47) 273.4,4.3
Net-(SW90-Pad5): length 13.6
  Bottom w0.25: 279.28,5.58 279.81,5.05 arc(280.39,4.66) 281.08,4.52 291.91,4.52 arc(292.2,4.47) 292.45,4.3
Net-(SW91-Pad5): length 18.3
  Bottom w0.25: 298.33,5.58 298.86,5.05 arc(299.44,4.66) 300.13,4.52 315.72,4.52 arc(316.01,4.47) 316.26,4.3

## Copper pours and planes (outline as drawn; the poured copper is in the pictures)
GND on Top, Bottom: 329.21,144.66 329.61,0 328.61,-1 0,-1 -1,0 -0.6,144.66 0.6,145.85 328.02,145.85

## Text on the board
B.Silkscreen: JLCJLCJLCJLC
